# Altium PCB PCB SOM AM625.PcbDoc (part 6 of 6)
Units mm, origin at the board's own origin, x right, y up, seen from the top; angles counter-clockwise.
Board outline 92 x 91 mm, 6 copper layers (Top Layer, Layer 1, Layer 3, Layer 4, Layer 2, Bottom Layer), stack 1.56 mm thick; 480 components, 371 nets, 1721 pads, 738 vias.
Unrouted connection lines stored in the file: 13.
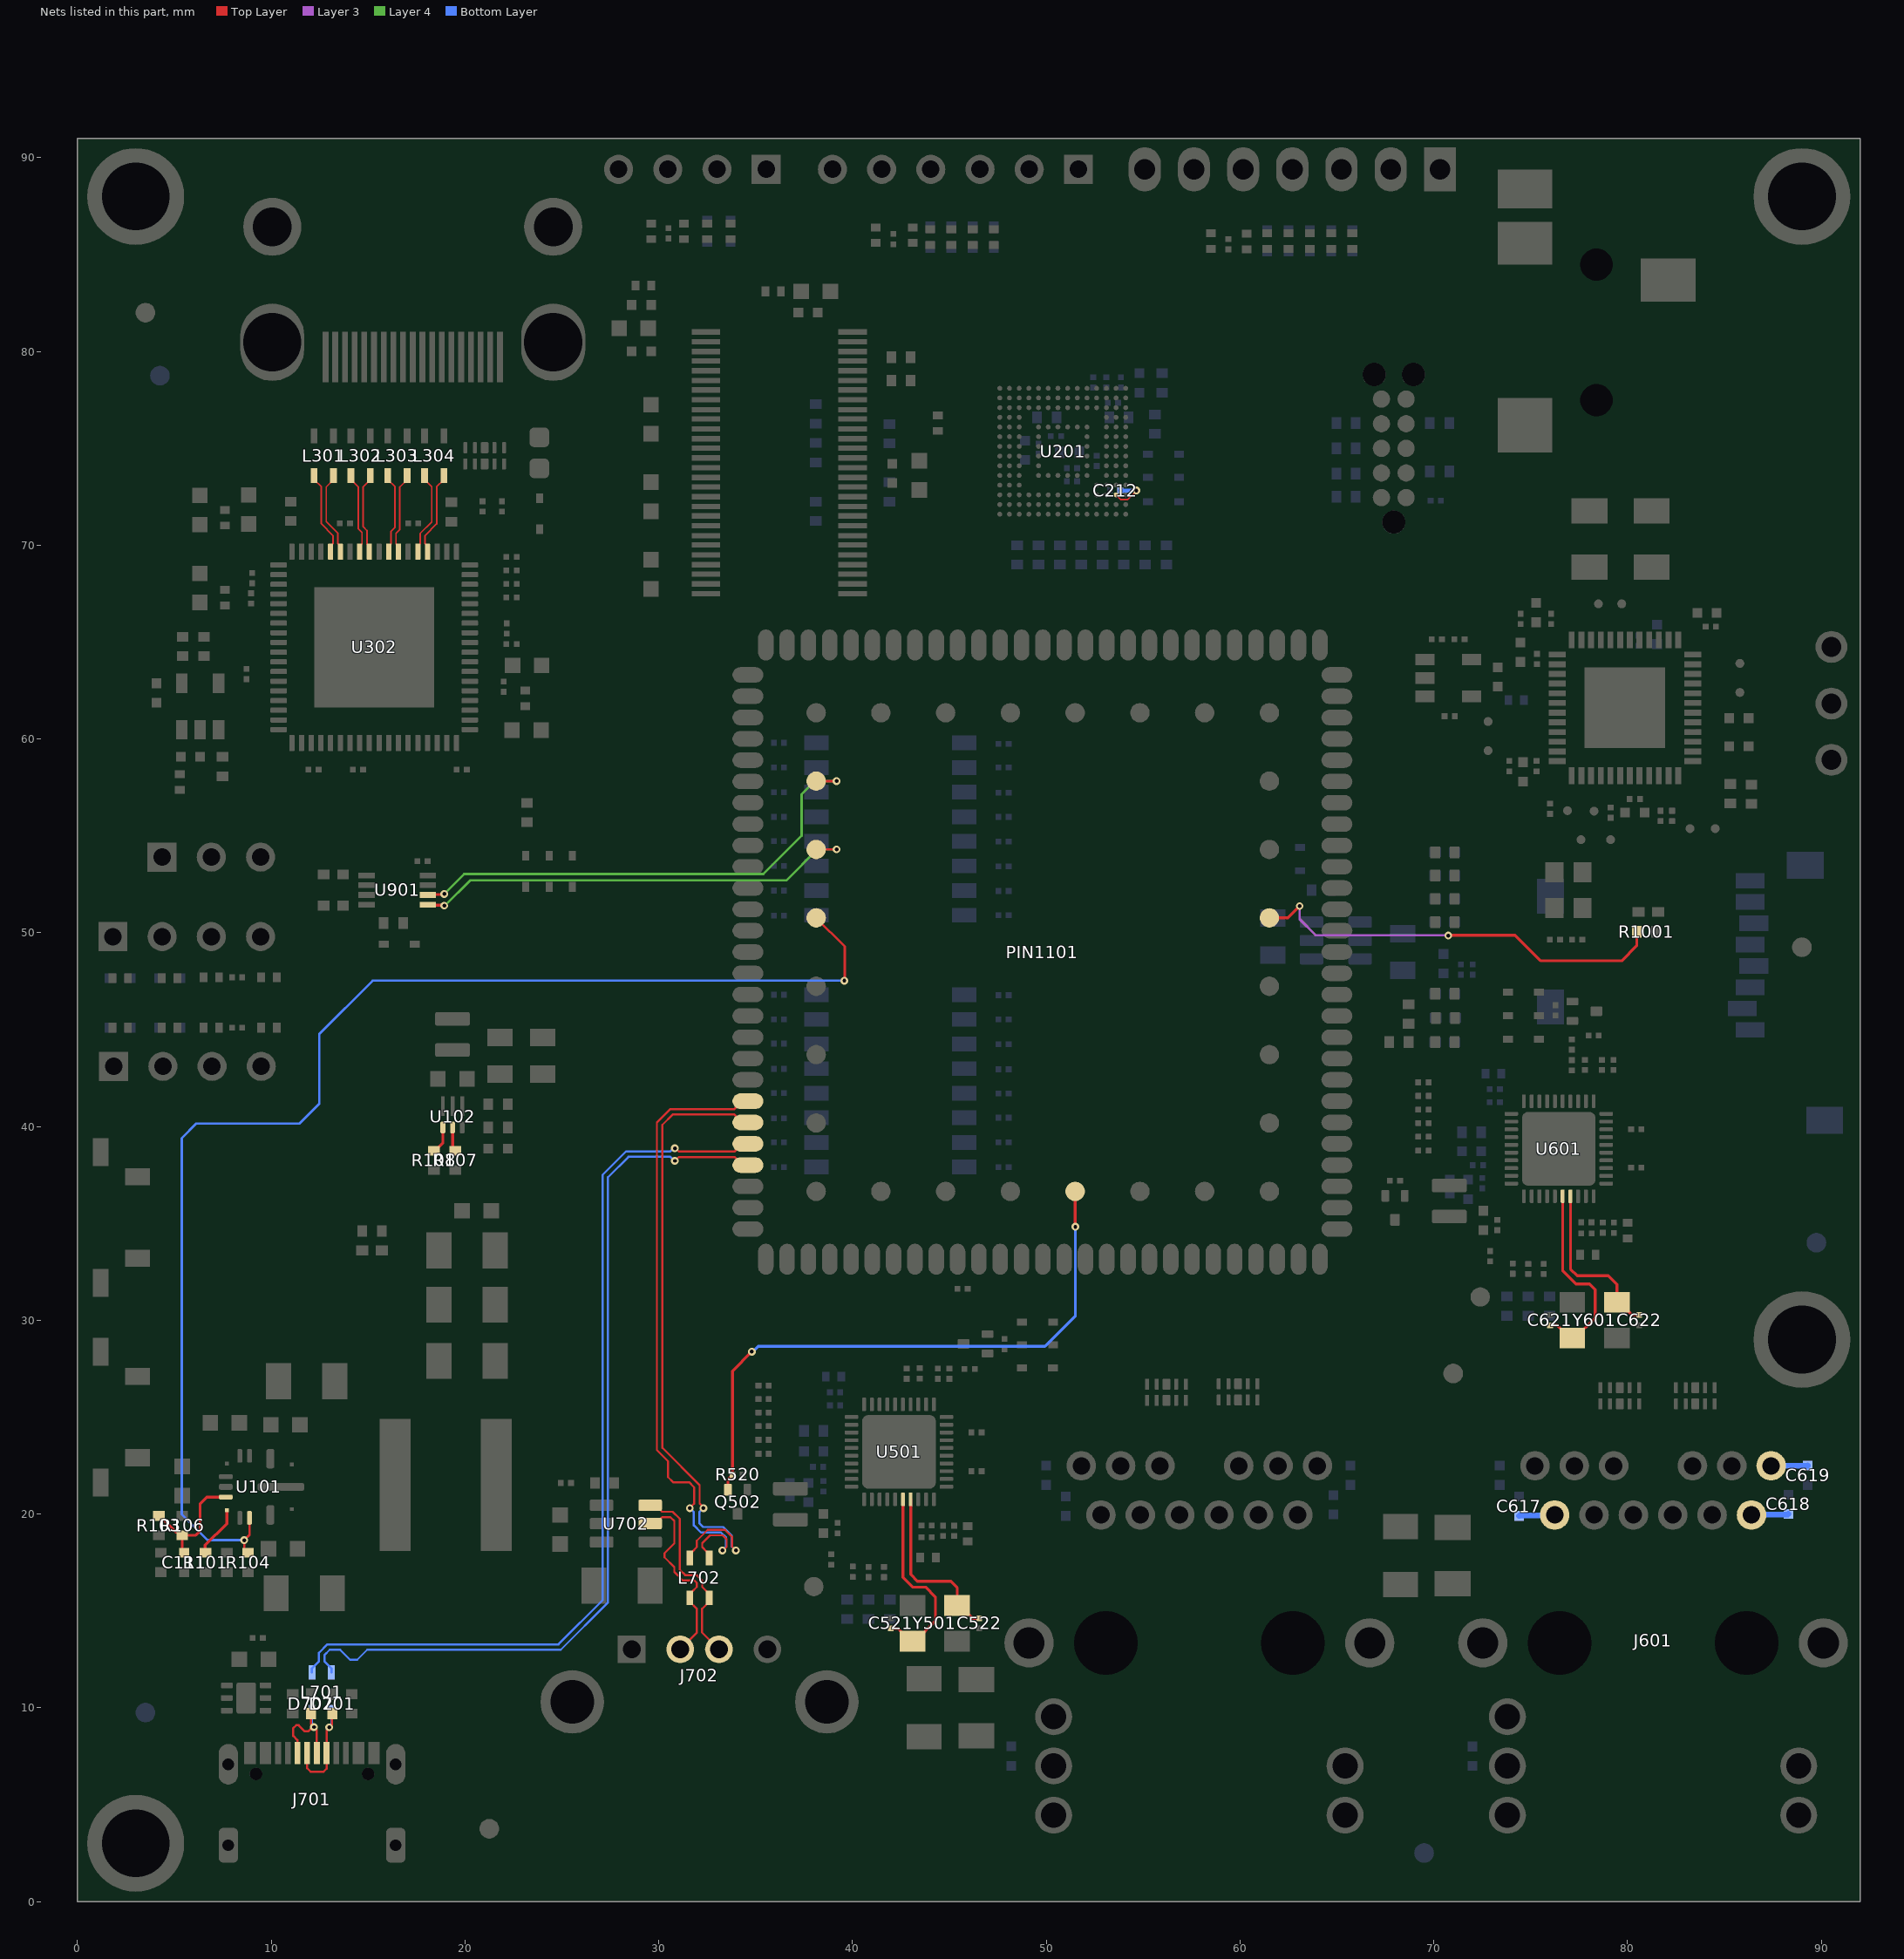
[diagram p10: the nets of this part, all layers, seen from the top]

## Via types
v1: diameter 0.4, hole 0.2, Top Layer to Bottom Layer, tented both sides, 695 vias
v2: diameter 0.8, hole 0.4, Top Layer to Bottom Layer, tented both sides, 40 vias
v3: diameter 0.6, hole 0.3, Top Layer to Bottom Layer, tented both sides, 3 vias

## Nets (pads, with @x,y where several pads share a name; then routed paths per layer and width w, separated by ;. In a path a pad name is that pad's centre, name@x,y a point inside that pad or via, vN(x,y) a via of type N, cw(c..) or ccw(c..) an arc to the next point about the centre after c; other vN are vias at no path point) (continued)
TCT2_1: C617.1 J601.6 | length 1.9
  Bottom Layer w0.3: C617.1@74.4,19.9 74.423,19.924 76.215,19.924 J601.6@76.238,19.947
TCT2_2: C618.1 J601.1 | length 1.9
  Bottom Layer w0.3: J601.1@86.398,19.947 86.425,19.974 88.273,19.974 C618.1@88.3,20
TCT2_3: C619.1 J601.7 | length 1.9
  Bottom Layer w0.3: J601.7@87.414,22.487 87.421,22.494 89.293,22.494 C619.1@89.3,22.5
TS_INT: PIN1101.133 Q502.2 R520.1 | length 31.5
  Top Layer w0.15: Q502.2@33.57,21.25 33.57,21.79 ; 33.575,21.79 R520.1@33.81,22.025 ; R520.1@33.805,22.03 33.805,27.38 v1(34.8,28.375) ; PIN1101.133@51.489,36.65 51.495,36.645 51.495,34.83 v1(51.5,34.825)
  Bottom Layer w0.15: v1(34.8,28.375) 34.851,28.375 35.126,28.65 49.925,28.65 51.5,30.225 v1(51.5,34.825)
TX0_N: L303.4 U302.61 | length 4.2
  Top Layer w0.084: U302.61@16.56,69.666 16.56,69.951 16.438,70.073 16.438,70.622 16.634,70.818 16.634,71.914 16.634,73.009 17.01,73.386 L303.4@17.01,73.588
TX0_P: L303.1 U302.62 | length 4.2
  Top Layer w0.084: L303.1@16.01,73.588 16.01,73.386 16.38,73.016 16.38,70.923 16.184,70.727 16.184,70.074 16.06,69.951 U302.62@16.06,69.666
TX1_N: L302.4 U302.64 | length 4.2
  Top Layer w0.084: U302.64@15.06,69.666 15.06,69.951 14.937,70.074 14.937,70.758 14.739,70.956 14.739,73.015 15.11,73.386 L302.4@15.11,73.588
TX1_P: L302.1 U302.65 | length 4.2
  Top Layer w0.084: L302.1@14.11,73.588 14.11,73.386 14.485,73.011 14.485,70.851 14.683,70.653 14.683,70.073 14.56,69.951 U302.65@14.56,69.666
TX2_N: L301.4 U302.67 | length 4.4
  Top Layer w0.084: L301.4@13.21,73.588 13.21,73.386 12.833,73.008 12.833,71.21 13.435,70.608 13.435,70.076 13.56,69.951 U302.67@13.56,69.666
TX2_P: L301.1 U302.68 | length 4.4
  Top Layer w0.084: L301.1@12.21,73.588 12.21,73.386 12.579,73.017 12.579,71.105 13.181,70.503 13.181,70.072 13.06,69.951 U302.68@13.06,69.666
TXC_N: L304.4 U302.58 | length 4.4
  Top Layer w0.084: U302.58@18.06,69.666 18.06,69.951 17.937,70.074 17.937,70.501 18.535,71.098 18.535,72.054 18.535,73.01 18.91,73.386 L304.4@18.91,73.588
TXC_P: L304.1 U302.59 | length 4.4
  Top Layer w0.084: U302.59@17.56,69.666 17.56,69.951 17.683,70.074 17.683,70.606 18.281,71.204 18.281,73.015 17.91,73.386 L304.1@17.91,73.588
UART0_RX: PIN1101.115 U901.6 | length 25.8
  Top Layer w0.122: PIN1101.115@38.122,57.824 v1@39.174,57.824
  Top Layer w0.15: U901.6@18.076,51.95 18.101,51.975 18.9,51.975 v1(18.925,52)
  Layer 4 w0.122: v1(18.925,52) 19.95,53.025 35.4,53.025 37.375,55 37.375,57.15 38.05,57.825 v1(39.175,57.825)
UART0_TX: PIN1101.114 U901.5 | length 23.4
  Top Layer w0.122: PIN1101.114@38.121,54.295 38.124,54.298 39.172,54.298 v1(39.175,54.3)
  Top Layer w0.15: U901.5@18.076,51.45 18.101,51.425 18.9,51.425 v1(18.925,51.4) v1@18.975,51.4
  Layer 4 w0.122: v1(18.925,51.4) 18.96,51.4 20.26,52.7 36.575,52.7 38.175,54.3 v1(39.175,54.3)
USB0_N: L701.3 PIN1101.32 | length 47.2
  Top Layer w0.109: v1(30.825,38.875) 30.859,38.875 31.034,38.7 33.899,38.7 34.305,39.106 PIN1101.32@34.6,39.106
  Bottom Layer w0.109: L701.3@12.1,11.827 12.1,12.03 12.46,12.391 12.46,12.835 12.898,13.273 24.823,13.273 27.1,15.55 27.1,37.5 28.315,38.715 30.591,38.715 30.751,38.875 v1(30.825,38.875)
USB0_P: L701.2 PIN1101.31 | length 47.2
  Top Layer w0.109: v1(30.825,38.225) 30.839,38.225 31.034,38.421 33.902,38.421 34.317,38.006 PIN1101.31@34.6,38.006
  Bottom Layer w0.109: L701.2@13.1,11.827 13.1,12.03 12.74,12.391 12.74,12.72 13.013,12.993 13.55,12.993 14.068,12.475 14.432,12.475 14.95,12.993 24.938,12.993 27.379,15.434 27.379,37.384 28.43,38.435 30.591,38.435 30.801,38.225 v1(30.825,38.225)
USB1_N: L702.4 PIN1101.33 | length 33.2
  Top Layer w0.109: L702.4@31.6,17.727 31.6,17.93 31.72,18.05 31.96,18.29 31.96,18.616 32.524,19.179 33.416,19.179 33.698,18.898 33.779,18.816 33.779,18.321 v1@34,18.1 ; v1(32.3,20.3) 32.3,20.345 32.104,20.54 32.104,21.491 30.179,23.416 30.179,40.084 30.711,40.616 33.903,40.616 34.314,40.206 PIN1101.33@34.6,40.206
  Bottom Layer w0.109: v1(32.3,20.3) 32.09,20.09 32.09,19.525 32.29,19.325 33.32,19.325 33.75,18.895 33.75,18.327 33.961,18.115 v1(33.978,18.115)
USB1_P: L702.1 PIN1101.34 | length 33.2
  Top Layer w0.109: v1(31.6,20.3) 31.6,20.309 31.825,20.534 31.825,21.375 31.562,21.638 30.737,21.638 30.475,21.9 30.475,22.725 29.9,23.3 29.9,40.2 30.595,40.896 33.903,40.896 34.314,41.306 PIN1101.34@34.6,41.306 ; L702.1@32.6,17.727 32.6,17.93 32.48,18.05 32.24,18.29 32.24,18.5 32.64,18.9 33.3,18.9 33.5,18.7 33.5,18.3 v1@33.3,18.1
  Bottom Layer w0.109: v1(31.6,20.3) 31.81,20.09 31.81,19.409 32.174,19.046 33.204,19.046 33.471,18.779 33.471,18.325 33.278,18.132 v1(33.278,18.115)
USB_A_N: J702.2 L702.3 U702.5 | length 10
  Top Layer w0.109: U702.5@29.555,19.5 29.86,19.5 30.094,19.734 30.094,19.76 30.169,19.835 30.6,19.835 30.8,19.635 30.8,18.481 30.293,17.974 30.293,17.761 30.8,17.254 30.8,17.008 31.24,16.568 31.837,16.568 31.96,16.445 31.96,16.236 31.72,15.995 31.6,15.875 L702.3@31.6,15.673 31.6,15.47 31.95,15.12 31.95,13.86 J702.2@31.1,13.01
USB_A_P: J702.3 L702.2 U702.6 | length 10.1
  Top Layer w0.109: U702.6@29.555,20.45 29.86,20.45 30.094,20.216 30.094,20.19 30.169,20.115 30.716,20.115 31.079,19.751 31.079,17.124 31.356,16.847 31.953,16.847 32.24,16.56 32.24,16.236 32.48,15.995 32.6,15.875 L702.2@32.6,15.673 32.6,15.47 32.229,15.099 32.229,13.881 J702.3@33.1,13.01
USB_C_N: D702.2 J701.A7 J701.B7 L701.4 | length 5.7
  Top Layer w0.109: J701.B7@11.35,7.655 11.345,7.66 11.345,8.33 11.133,8.542 11.133,8.947 11.282,9.096 11.413,9.096 11.729,8.781 11.902,8.781 12.121,9 v1(12.2,9) ; D702.2@12.05,9.7 12.05,9.15 v1(12.2,9) ; J701.A7@12.35,7.655 12.35,8.85 v1(12.2,9)
  Bottom Layer w0.109: L701.4@12.1,9.773 12.1,9.179 12.2,9.079 v1(12.2,9)
USB_C_P: D701.2 J701.A6 J701.B6 L701.1 | length 5.7
  Top Layer w0.109: J701.A6@11.85,7.655 11.85,6.875 12.025,6.7 12.7,6.7 12.859,6.859 J701.B6@12.859,7.646 ; J701.B6@12.85,7.655 12.85,8.85 v1(12.987,8.988) 13.125,9.125 13.125,9.675 D701.2@13.15,9.7
  Bottom Layer w0.109: v1(12.987,8.988) 12.987,9.066 13.1,9.179 L701.1@13.1,9.773
VCC_1V8_EN: R108.1 U102.1 | length 1.4
  Top Layer w0.15: R108.1@18.4,38.75 18.45,38.75 18.855,39.155 U102.1@18.855,39.948
VCC_3V3_FB: C111.2 R103.1 R106.2 U101.4 | length 6.4
  Top Layer w0.15: R103.1@4.2,19.9 4.25,19.9 5.075,19.075 5.225,19.075 R106.2@5.4,18.9 ; C111.2@5.4,18 R106.2@5.4,18.9 ; U101.4@7.65,20.875 6.675,20.875 6.325,20.525 6.325,19.125 6.1,18.9 R106.2@5.4,18.9
VCC_5V0_EN: PIN1101.113 R104.1 U101.7 | length 68.7
  Top Layer w0.122: R104.1@8.8,18 8.789,18 8.6,18.189 v1(8.6,18.65) 8.875,18.925 U101.7@8.875,19.8 ; PIN1101.113@38.121,50.766 39.6,49.287 39.6,47.55 v1(39.575,47.525)
  Bottom Layer w0.122: v1(8.6,18.65) 6.7,18.65 5.375,19.975 5.375,39.4 6.125,40.15 11.45,40.15 12.475,41.175 12.475,44.775 15.225,47.525 v1(39.575,47.525)
VDD_1V8_PG: R107.1 U102.2 | length 1.3
  Top Layer w0.15: U102.2@19.355,39.948 19.355,38.895 R107.1@19.5,38.75
VDD_3V3_PG: R101.1 U101.5 | length 2.7
  Top Layer w0.15: R101.1@6.5,18 6.587,18.087 6.587,18.387 7.7,19.5 U101.5@7.7,20.2
VDDI: C212.1 U201.C2 | length 2.2
  Top Layer w0.08: U201.C2@53.6,72.6 53.85,72.35 54.196,72.35 54.65,72.804 v1(54.65,72.825)
  Bottom Layer w0.2: C212.1@53.815,72.825 v1(54.65,72.825)
WKUP_CLKOUT0: PIN1101.126 R1001.2 | length 21.8
  Top Layer w0.15: PIN1101.126@61.515,50.766 62.466,50.766 v1(63.075,51.375) ; v1(70.75,49.85) 70.775,49.875 74.2,49.875 75.525,48.55 79.7,48.55 80.475,49.325 R1001.2@80.475,50.05
  Layer 3 w0.122: v1(63.075,51.375) 63.075,50.7 63.9,49.875 70.725,49.875 v1(70.75,49.85)
XTAL_IN_GBE1: C521.1 U501.36 Y501.1 | length 10.4
  Top Layer w0.15: C521.1@41.975,14.085 42.35,14.085 42.514,13.921 42.514,13.883 42.973,13.425 43.1,13.425 43.227,13.425 44.275,14.473 44.275,15.725 43.775,16.225 43.1,16.225 42.6,16.725 U501.36@42.6,20.75
XTAL_IN_GBE2: C621.1 U601.36 Y601.1 | length 10.4
  Top Layer w0.15: C621.1@76,29.735 76.363,29.735 77.023,29.075 Y601.1@77.15,29.075 77.277,29.075 78.32,30.118 78.33,30.118 78.33,31.57 78.03,31.87 77.33,31.87 76.655,32.545 U601.36@76.655,36.395
XTAL_OUT_GBE1: C522.1 U501.37 Y501.3 | length 8.9
  Top Layer w0.15: U501.37@43,20.75 43,16.875 43.35,16.525 45.075,16.525 45.4,16.2 45.4,15.275 45.859,14.817 45.996,14.817 46.197,14.615 C522.1@46.55,14.615
XTAL_OUT_GBE2: C622.1 U601.37 Y601.3 | length 8.8
  Top Layer w0.15: U601.37@77.055,36.395 77.055,32.645 77.4,32.3 79,32.3 79.455,31.845 79.455,30.92 79.914,30.462 80.051,30.462 80.252,30.26 C622.1@80.605,30.26
pads on no net: FID1001.1 FID1002.1 FID1003.1 FID1004.1 FID1005.1 FID1006.1 FID1007.1 FID1008.1 J301.14 J501. J601. J701. J701.A8 J701.B8 J801. J902. MH1001.1 MH1002.1 MH1003.1 MH1004.1 U201.A1 U201.A2 U201.A7 U201.A8 U201.A9 U201.A10 U201.A11 U201.A12 U201.A13 U201.A14 U201.B1 U201.B7 U201.B8 U201.B9 U201.B10 U201.B11 U201.B12 U201.B13 U201.B14 U201.C1 U201.C3 U201.C5 U201.C7 U201.C8 U201.C9 U201.C10 U201.C11 U201.C12 U201.C13 U201.C14 U201.D1 U201.D2 U201.D3 U201.D4 U201.D12 U201.D13 U201.D14 U201.E1 U201.E2 U201.E3 U201.E5 U201.E8 U201.E9 U201.E10 U201.E12 U201.E13 U201.E14 U201.F1 U201.F2 U201.F3 U201.F10 U201.F12 U201.F13 U201.F14 U201.G1 U201.G2 U201.G3 U201.G10 U201.G12 U201.G13 U201.G14 U201.H1 U201.H2 U201.H3 U201.H12 U201.H13 U201.H14 U201.J1 U201.J2 U201.J3 U201.J12 U201.J13 U201.J14 U201.K1 U201.K2 U201.K3 U201.K6 U201.K7 U201.K10 U201.K12 U201.K13 U201.K14 U201.L1 U201.L2 U201.L3 U201.L12 U201.L13 U201.L14 U201.M1 U201.M2 U201.M3 U201.M7 U201.M8 U201.M9 U201.M10 U201.M11 U201.M12 U201.M13 U201.M14 U201.N1 U201.N3 U201.N6 U201.N7 U201.N8 U201.N9 U201.N10 U201.N11 U201.N12 U201.N13 U201.N14 U201.P1 U201.P2 U201.P7 U201.P8 U201.P9 U201.P10 U201.P11 U201.P12 U201.P13 U201.P14 U202.4 U302.37 U302.38 U302.39 U302.40 U302.41 U302.44 U302.45 U302.50 U801.9 U801.10 U801.11 U801.27 U801.28 U801.29 U801.30 U801.31 U801.32

## Polygon pours and split planes (outlines as drawn)
+VDD_1V8 on Top Layer "+VDD_1V8_L01_P144" (solid, pour order 144): 73.3,58.5 73.2,58.4 73.2,57.7 73.3,57.6 73.9,57.6 74.125,57.825 74.125,58.425 74.05,58.5
+VDD_1V8 on Top Layer "+VDD_1V8_L01_P143" (solid, pour order 143): 66.75,45.25 66.4,44.9 66.4,44.3 66.7,44 67.9,44 68,44.1 68,45 67.75,45.25
+VDD_3V3 on Top Layer "+VDD_3V3_L01_P136" (solid, pour order 136): 44.8,77.3 44.9,77.2 44.9,76.7 44.7,76.5 44,76.5 43.9,76.6 43.9,77.2 44,77.3
AGND_AUD on Top Layer "AGND_AUD_L01_P089" (solid, pour order 89): 73.5,90.5 73,90 73,65.25 74.25,64 74.25,60.25 75.5,59 87.5,59 89,57.5 91,57.5 91.5,58 91.5,83.5 90.5,84.5 86,84.5 84,86.5 84,90 83.5,90.5
GND on Top Layer "GND_L01_P126" (solid, pour order 126): 67.75,21.25 71.5,21.25 72,20.75 72,18.75 71.75,18.5 67.5,18.5 67.25,18.75 67.25,20.75
GND_E on Top Layer "GND_E_L01_P125" (solid, pour order 125): 91,17 91.75,16.25 91.75,12.5 90.75,11.5 49.1,11.5 49.1,15.85 50.25,17
GND on Top Layer "GND_L01_P123" (solid, pour order 123): 42.75,9.25 47.25,9.25 47.5,9 47.5,7 47.25,6.75 42.75,6.75 42.5,7 42.5,9
GND_E on Top Layer "GND_E_L01_P122" (solid, pour order 122): 42.75,12.25 47,12.25 47.75,13 47.75,14.5 49.55,16.3 50.5,16.3 50.5,12.25 49,10.75 42.75,10.75 42.5,11 42.5,12
+VSYS_5V on Top Layer "+VSYS_5V_L01_P118" (solid, pour order 118): 11.1,38.1 14.9,41.9 14.9,46.5 16.9,48.5 24.5,48.5 26.125,50.125 26.125,68.675 24.3,70.5 23.7,70.5 23.6,70.6 23.6,71.1 23.7,71.2 25.6,71.2 27.6,69.2 27.6,49.7 24.725,46.825 18.225,46.825 16.8,45.4 16.8,38.5 16.4,38.1
GND on Top Layer "GND_L01_P081" (solid, pour order 81): 39,66.9 40.8,66.9 41.425,66.275 41.425,63.017 42.017,62.425 42.017,61.1 41.742,60.825 41.092,60.825 39.542,62.375 39.542,63.6 39.142,64 38.675,64 38.425,64.25 38.425,66.325
+VDD_3V3 on Top Layer "+VDD_3V3_L01_P117" (solid, pour order 117): 21.2,36.5 23.7,39 28.2,43.5 28.2,62.4 31.5,65.7 35.2,65.7 35.2,64 33.3,64 31,61.7 31,42.359 25.441,36.8 24.5,35.8
PHY1_VDD1V0 on Top Layer "PHY1_VDD1V0_L01_P116" (solid, pour order 116): 37.695,20.055 37.795,19.955 37.795,19.455 37.995,19.255 38.895,19.255 39.095,19.055 39.095,18.455 38.895,18.255 36.995,18.255 35.795,19.455 35.795,19.955 35.895,20.055
+1V2_HDMI_CVCC on Top Layer "+1V2_HDMI_CVCC_L01_P110" (solid, pour order 110): 7.3,67.2 7,66.9 7,66 7.1,65.9 7.6,65.9 7.9,66.2 7.9,67.1 7.8,67.2
PHY2_VDD1V0 on Top Layer "PHY2_VDD1V0_L01_P095" (solid, pour order 95): 71.7,35.7 71.8,35.6 71.8,35.1 72,34.9 72.9,34.9 73.1,34.7 73.1,34.1 72.9,33.9 71,33.9 69.8,35.1 69.8,35.6 69.9,35.7
+VDD_3V3_OLDI on Top Layer "+VDD_3V3_OLDI_L01_P083" (solid, pour order 83): 29.4,83.7 29.8,83.7 30.3,83.2 30.3,80.7 29.8,80.2 29.3,80.2 29,80.5 29,81.6 29.3,81.9 29.3,83.6
GND on Top Layer "GND_L01_P082" (solid, pour order 82): 28.8,82.7 28.9,82.6 28.9,82 28.5,81.6 28.5,80.5 28.8,80.2 28.8,79.8 28.7,79.7 28,79.7 27.1,80.6 27.1,82.1 27.7,82.7
+VDD_3V3 on Top Layer "+VDD_3V3_L01_P080" (solid, pour order 80): 35.2,65.7 37.9,65.7 38.125,65.475 38.125,62.975 38.675,62.425 38.675,61.1 38.4,60.825 37.75,60.825 36.2,62.375 36.2,63.6 35.8,64 35.2,64 35,64.2 35,65.5
+VSYS_5V on Top Layer "+VSYS_5V_L01_P079" (solid, pour order 79): 18.9,42.9 16.8,42.9 16.8,38.5 16.4,38.1 11.1,38.1 9.65,36.65 9.65,29.723 11.5,29.723 11.5,35.5 13.4,37.4 19.7,37.4 19.9,37.6 19.9,38 19.8,38.1 18,38.1 17.6,38.5 17.6,41.6 18,42 18.9,42 19,42.1 19,42.8
GND on Top Layer "GND_L01_P077" (solid, pour order 77): 21.9,42 21.9,40.8 22,40.7 22.5,40.7 22.6,40.8 22.6,42
GND on Top Layer "GND_L01_P076" (solid, pour order 76): 25.1,43.3 20.1,43.3 19.7,42.9 19.7,40.6 19.8,40.5 20.1,40.5 20.3,40.7 20.3,41.7 20.6,42 25.1,42 25.3,42.2 25.3,43.1
GND on Top Layer "GND_L01_P075" (solid, pour order 75): 1.7,22.5 2.2,22 2.2,20.4 1.9,20.1 0.6,20.1 0.3,20.4 0.3,22.2 0.6,22.5
GND on Top Layer "GND_L01_P074" (solid, pour order 74): 0.8,32.8 1.7,32.8 1.9,32.6 1.9,29.6 3.8,27.7 3.8,26.6 3.7,26.5 0.8,26.5 0.6,26.7 0.6,32.6
GND on Top Layer "GND_L01_P073" (solid, pour order 73): 0.5,39.6 0.8,39.9 3.5,39.9 3.8,39.6 3.8,36.9 3.7,36.8 0.7,36.8 0.5,37
+5V_USB_A on Top Layer "+5V_USB_A_L01_P072" (solid, pour order 72): 29.625,18.9 29.85,18.675 29.85,13.95 29.3,13.4 28.7,13.4 28.5,13.6 28.5,18.5 28.9,18.9
+VSYS_5V on Top Layer "+VSYS_5V_L01_P071" (solid, pour order 71): 11.3,13.5 22,13.5 23.7,15.2 23.7,18.2 24.4,18.9 27.6,18.9 27.7,18.8 27.7,18.3 27.4,18 24.8,18 24.4,17.6 24.4,14.8 22.4,12.8 10.8,12.8 10.8,13
+VDD_3V3_AUD on Top Layer "+VDD_3V3_AUD_L01_P070" (solid, pour order 70): 76,66.1 76.2,65.9 76.2,65.4 75.6,64.8 74.3,64.8 74.2,64.9 74.2,66 74.3,66.1
GND on Top Layer "GND_L01_P069" (solid, pour order 69): 75,58.1 75.1,58.2 75.1,58.45 75.15,58.5 75.5,58.5 75.675,58.325 75.675,57.85 75.325,57.5 74.4,57.5 74.325,57.575 74.325,58.025 74.4,58.1
+VSYS_5V on Top Layer "+VSYS_5V_L01_P068" (solid, pour order 68): 9.6,20.5 10.2,20.5 10.3,20.4 10.3,17.5 11.3,16.5 11.3,12.8 10,11.5 10,8.2 9.4,8.2 9.4,20.3
GND on Top Layer "GND_L01_P067" (solid, pour order 67): 38.4,83.6 39.6,83.6 39.8,83.4 39.8,82.4 39.1,81.7 38,81.7 37.9,81.8 37.9,82.3 38.3,82.7 38.3,83.5
GND on Top Layer "GND_L01_P058" (solid, pour order 58): 77.98,35.22 78.305,35.22 78.33,35.195 78.33,34.745 78.38,34.695 79.455,34.695 79.48,34.67 79.48,34.17 79.205,33.895 78.38,33.895 77.955,34.32 77.955,35.195
GND on Top Layer "GND_L01_P057" (solid, pour order 57): 72.28,35.92 73.305,35.92 73.605,35.62 73.605,35.17 73.455,35.02 73.13,35.02 72.78,35.37 72.305,35.37 72.23,35.445 72.23,35.87
REG_OUT2 on Top Layer "REG_OUT2_L01_P056" (solid, pour order 56): 70.455,36.595 73.555,36.595 74.005,37.045 74.005,37.145 73.655,37.145 73.455,36.945 72.055,36.945 71.705,37.295 70.455,37.295
GND on Top Layer "GND_L01_P051" (solid, pour order 51): 43.925,19.575 44.25,19.575 44.275,19.55 44.275,19.1 44.325,19.05 45.4,19.05 45.425,19.025 45.425,18.525 45.15,18.25 44.325,18.25 43.9,18.675 43.9,19.55
GND on Top Layer "GND_L01_P050" (solid, pour order 50): 38.225,20.275 39.25,20.275 39.55,19.975 39.55,19.525 39.4,19.375 39.075,19.375 38.725,19.725 38.25,19.725 38.175,19.8 38.175,20.225
REG_OUT1 on Top Layer "REG_OUT1_L01_P049" (solid, pour order 49): 36.4,20.95 39.5,20.95 39.95,21.4 39.95,21.5 39.6,21.5 39.4,21.3 38,21.3 37.65,21.65 36.4,21.65
GND on Top Layer "GND_L01_P044" (solid, pour order 44): 24.3,60.9 24.4,60.8 24.4,59.7 24.3,59.6 23.5,59.6 23.4,59.7 23.4,60.8 23.5,60.9
+VDD_3V3 on Top Layer "+VDD_3V3_L01_P043" (solid, pour order 43): 22.8,60.9 22.9,60.8 22.9,59.7 22.8,59.6 22,59.6 21.9,59.7 21.9,60.8 22,60.9
GND on Top Layer "GND_L01_P041" (solid, pour order 41): 5.8,69 6.2,69.4 8.2,69.4 8.6,69 8.6,68.45 9.01,68.039 9.01,67.575 8.785,67.35 8.25,67.35 8.1,67.5 8.1,68 8,68.1 5.9,68.1 5.8,68.2
GND on Top Layer "GND_L01_P039" (solid, pour order 39): 6,72.8 6.1,72.9 9.1,72.9 9.2,72.8 9.2,72.2 8.5,72.2 6.7,72.2 6,72.2
GND on Top Layer "GND_L01_P038" (solid, pour order 38): 4.25,62.125 5.825,62.125 6.225,62.525 6.225,64.075 6.825,64.075 6.825,63.55 6.7,63.425 6.7,58.575 6.5,58.375 6.175,58.375 5.975,58.575 5.975,61.225 5.575,61.625 4.25,61.625
GND on Top Layer "GND_L01_P036" (solid, pour order 36): 9.2,8.2 9.2,14.3 8.6,14.9 7.294,14.894 6.1,13.7 6.1,10.7 8.6,8.2
+VDD_3V3 on Top Layer "+VDD_3V3_L01_P035" (solid, pour order 35): 21.2,36.5 20.7,36 20.7,18.1 21.1,17.7 22.4,17.7 22.8,18.1 22.8,21.9 24.5,23.6 24.5,35.8 23.8,36.5
GND on Top Layer "GND_L01_P034" (solid, pour order 34): 10.9,24.9 12.5,26.5 12.5,28.4 13,28.9 16.6,28.9 17.2,29.5 17.2,35.6 18.1,36.5 20,36.5 20.3,36.2 20.3,34.8 20,34.5 20,16.6 17.2,13.8 12.3,13.8 12,14.1 12,16.8 10.9,17.9 10.9,20.36 10.99,20.45 11.857,20.45 12.6,19.707 12.6,17.797 13.397,17 17.5,17 18.1,17.6 18.1,25.3 17.6,25.8 14.6,25.8 12.6,23.8 12.6,23.087 11.863,22.35 11.03,22.35 10.9,22.48
GND on Top Layer "GND_L01_P033" (solid, pour order 33): 27.3,17.3 25.1,17.3 24.9,17.1 24.9,15.5 25.1,15.3 27.3,15.3 27.5,15.5 27.5,17.1
GND on Top Layer "GND_L01_P032" (solid, pour order 32): 24.9,21.3 26.4,19.8 27.6,19.8 27.7,19.7 27.7,19.3 27.6,19.2 24,19.2 23.6,19.6 23.6,20.7 24.2,21.3
+VDD_1V8 on Top Layer "+VDD_1V8_L01_P031" (solid, pour order 31): 25.8,44.35 25.8,45.65 25.35,46.1 18.65,46.1 18.4,45.85 18.4,45.15 18.7,44.85 20.4,44.85 21.3,43.95 25.4,43.95
AGND_AUD on Top Layer "AGND_AUD_L01_P030" (solid, pour order 30): 73.3,86.7 73.1,86.5 73.1,84.5 73.7,83.9 75.9,83.9 76.3,84.3 76.3,86.5 76.1,86.7
+VSYS_5V on Top Layer "+VSYS_5V_L01_P006" (solid, pour order 6): 10.25,22.35 10.6,22.7 10.6,25.5 11.5,26.4 11.5,30 11.1,30.4 10.1,30.4 9.65,29.95 9.65,22.55 9.85,22.35
+VDD_3V3 on Top Layer "+VDD_3V3_L01_P007" (solid, pour order 7): 8.099,22.492 8.1,23.413 8.038,23.475 7.525,23.475 7.375,23.625 7.025,23.625 6.9,23.5 6.9,22.6 7.05,22.45 8.057,22.45
LM61460_SW on Top Layer "LM61460_SW_L01_P012" (solid, pour order 12): 9.2,21.5 9.6,21.9 12.3,21.9 15.2,24.8 15.5,25.1 17,25.1 17.2,24.9 17.2,18.1 17,17.9 15.3,17.9 12.3,20.9 9.6,20.9 9.2,21.3
NetC116_1 on Top Layer "NETC116_1_L01_P022" (solid, pour order 22): 5.05,61 5.65,61 5.725,60.925 5.725,58.075 5.6,57.95 5.05,57.95 4.975,58.025 4.975,60.925
+VDD_1V2 on Top Layer "+VDD_1V2_L01_P027" (solid, pour order 27): 4.4,66.2 4.7,66.5 5.8,66.5 6.2,66.9 6.2,67.2 5.8,67.6 4.6,67.6 4.4,67.8 4.4,70.4 4.6,70.6 7.8,70.6 7.9,70.7 7.9,71.2 7.8,71.3 7,71.3 6.7,71.6 4.2,71.6 3.7,71.1 3.7,63 3.825,62.875 4.275,62.875 4.4,63
+VDD_1V8 on Layer 3 "+VDD_1V8_L03_P154" (solid, pour order 154): 73.3,58.5 73.2,58.4 73.2,57.7 73.3,57.6 73.9,57.6 74.125,57.825 74.125,58.425 74.05,58.5
+VDD_3V3_HDMI on Layer 3 "+VDD_3V3_HDMI_L03_P146" (solid, pour order 146): 12.075,57.5 12.075,58.2 12,58.275 11.725,58.275 11.625,58.175 11.625,57.5
+VDD_1V8 on Layer 3 "+VDD_1V8_L03_P145" (solid, pour order 145): 67.95,45.25 66.75,45.25 66.4,44.9 66.4,44.475 66.525,44.35 66.775,44.35 67.175,44.75 67.975,44.75 68.05,44.825 68.05,45.15
+VDD_3V3 on Layer 3 "+VDD_3V3_L03_P133" (solid, pour order 133): 22.4,33.25 22.4,40.25 23.175,41.025 36.525,41.025 47.5,52 47.5,57 59,68.5 59,79.5 57,81.5 34.25,81.5 32.5,83.25 28.5,83.25 28.25,83.5 28.25,86 29.5,87.25 68.75,87.25 71.75,84.25 71.75,62.75 60.1,51.1 52.1,51.1 34.25,33.25 24.5,33.25
+VDD_3V3 on Layer 3 "+VDD_3V3_L03_P134" (solid, pour order 134): 71.665,67.1 74.2,67.1 74.3,67 74.3,66.6 74.2,66.5 71.665,66.5
+VDD_3V3_AUD on Layer 3 "+VDD_3V3_AUD_L03_P087" (solid, pour order 87): 74.05,66.3 80.95,66.3 81.25,66 81.25,55.5 81,55.25 79.5,55.25 79,55.75 79,57.5 77,59.5 77,63.25 76.5,63.75 73.25,63.75 73,64 73,65.25
+AVDD1_2_GBE on Layer 3 "+AVDD1_2_GBE_L03_P101" (solid, pour order 101): 44.72,27.565 45.72,27.565 46.22,27.065 46.22,19.065 45.72,18.565 44.72,18.565 44.22,19.065 44.22,27.065
+VDD_3V3 on Layer 3 "+VDD_3V3_L03_P119" (solid, pour order 119): 23.25,36 23.25,59.75 23,60 22,60 21.75,59.75 21.75,58.25 19,55.5 1.75,55.5 0.75,54.5 0.75,37.5 5,33.25 22.5,33.25 22.5,35.25
PHY1_VDD1V0 on Layer 3 "PHY1_VDD1V0_L03_P104" (solid, pour order 104): 38.175,27.825 38.825,27.825 38.95,27.7 38.95,18.95 40.268,17.632 43.568,17.632 43.75,17.45 43.75,16.825 43.475,16.55 39.55,16.55 36.85,19.25 36.85,26.5
+VDD_3V3 on Layer 3 "+VDD_3V3_L03_P120" (solid, pour order 120): 4.75,57.25 5.75,57.25 6,57 6,55.5 4.5,55.5 4.5,57
+VDD_3V3_HDMI on Layer 3 "+VDD_3V3_HDMI_L03_P114" (solid, pour order 114): 9.25,69 9.25,68.75 8.75,68.25 7.25,68.25 6,67 6,60.75 9.25,57.5 18.3,57.5 19.4,58.6 19.4,60 20.6,61.2 22,61.2 22.79,61.99 22.79,68.29 23.25,68.75 24.25,68.75 24.5,68.5 24.5,61.145 23.755,60.4 21.9,60.4 21.1,59.6 21.1,58.1 19.75,56.75 8.75,56.75 5.25,60.25 5.25,67.25 7.25,69.25 9,69.25
+1V2_HDMI_CVCC on Layer 3 "+1V2_HDMI_CVCC_L03_P112" (solid, pour order 112): 6.675,66.975 6.675,66.325 7.275,65.725 9.475,65.725 10,65.2 10,62 11,61 13.225,61 13.775,60.45 13.775,58.125 14.125,57.775 14.975,57.775 15.325,58.125 15.325,60.55 16.6,61.825 22.275,61.825 22.65,62.2 22.65,68.275 21.9,69.025 9.775,69.025 8.125,67.375 7.075,67.375
+VDD_1V8 on Layer 3 "+VDD_1V8_L03_P106" (solid, pour order 106): 24.25,47.85 26.4,50 39,50 40.5,51.5 40.5,60.75 51.575,71.825 51.575,79.5 52.075,80 55.75,80 57,78.75 57,70.75 43.2,56.95 43.2,49.5 41.45,47.75 26.75,47.75 25.75,46.75 25.75,45 25.5,44.75 24.5,44.75 24.25,45
+AVDD2_2_GBE on Layer 3 "+AVDD2_2_GBE_L03_P092" (solid, pour order 92): 79,43.5 80,43.5 80.5,43 80.5,35 80,34.5 79,34.5 78.5,35 78.5,43
+VDD_3V3_OLDI on Layer 3 "+VDD_3V3_OLDI_L03_P091" (solid, pour order 91): 28.6,67.7 28.8,67.5 29.4,67.5 30,68.1 30,79.5 30.5,80 30.5,82.5 30.25,82.75 29.5,82.75 29.25,82.5 29.25,80.25 28.6,79.6
+VSYS_5V on Layer 3 "+VSYS_5V_L03_P008" (solid, pour order 8): 11.9,29.5 11.25,30.15 9.85,30.15 9.1,29.4 9.1,13.3 9.4,13 11.5,13 11.9,13.4
GND on Bottom Layer "GND_L06_P151" (solid, remove dead copper, pour order 151): 72,90.5 72.5,90 72.5,61 75,58.5 87.25,58.5 88.75,57 91,57 91.5,56.5 91.5,1 91,0.5 1.25,0.5 0.5,1.25 0.5,90 1,90.5
GND on Bottom Layer "GND_L06_P141" (solid, pour order 141): 76.5,41 76.9,40.6 76.9,39.6 76.6,39.3 74.3,39.3 74.1,39.5 74.1,40.8 74.3,41
GND on Bottom Layer "GND_L06_P152" (solid, pour order 152): 72.3,65.3 74,63.6 74,59.3 72.1,59.3 71.9,59.5 71.9,65.3
+VDD_1V8 on Bottom Layer "+VDD_1V8_L06_P142" (solid, pour order 142): 24.6,46.1 30.1,46.1 34.3,41.9 34.3,38.6 35.9,37 65.1,37 66.4,38.3 66.4,44.9 66.75,45.25 67.75,45.25 68.1,44.9 68.1,37.85 65.75,35.5 35.6,35.5 32.6,38.5 32.6,41.3 29,44.9 24.6,44.9 24.25,45.25 24.25,45.75
+VDD_3V3 on Bottom Layer "+VDD_3V3_L06_P140" (solid, pour order 140): 61.7,49.4 61.3,49.4 60.3,50.4 60.3,51.7 59.9,52.1 59.4,52.1 58.9,51.6 58.9,50.7 60.75,48.85 61.7,48.85
AGND_AUD on Bottom Layer "AGND_AUD_L06_P086" (solid, pour order 86): 73.5,90.5 73,90 73,65.25 74.25,64 74.25,60.25 75.5,59 87.5,59 89,57.5 91,57.5 91.5,58 91.5,83.5 90.5,84.5 86,84.5 84,86.5 84,90 83.5,90.5
+VDD_3V3 on Bottom Layer "+VDD_3V3_L06_P115" (solid, pour order 115): 46,19.5 46.5,19 46.5,17.75 46.197,17.447 36.303,17.447 35,18.75 35,20.75 35.5,21.25 36.75,21.25 37,21 37,20 37.5,19.5 44,19.5
+VDD_3V3 on Bottom Layer "+VDD_3V3_L06_P132" (solid, pour order 132): 79.946,35.102 80.446,34.602 80.446,33.352 80.142,33.049 70.249,33.049 68.946,34.352 68.946,36.352 69.446,36.852 70.696,36.852 70.946,36.602 70.946,35.602 71.446,35.102 77.946,35.102
PHY1_VDD1V0 on Bottom Layer "PHY1_VDD1V0_L06_P103" (solid, pour order 103): 38.825,27.825 38.275,27.825 38.075,27.625 38.075,26.925 38.245,26.755 38.845,26.755 38.945,26.855 38.945,27.705
PHY2_VDD1V0 on Bottom Layer "PHY2_VDD1V0_L06_P094" (solid, pour order 94): 72.9,43 71.8,43 71.6,42.8 71.6,42.3 71.7,42.2 72.1,42.2 72.3,42.4 72.9,42.4 73,42.5 73,42.9
DVDD10_2 on Bottom Layer "DVDD10_2_L06_P054" (solid, pour order 54): 73.305,42.995 73.705,42.995 73.805,42.895 73.805,40.895 73.605,40.695 73.33,40.695 73.255,40.77 73.255,42.945
GND on Bottom Layer "GND_L06_P064" (solid, pour order 64): 72.225,48.825 72.1,48.95 71.05,48.95 70.8,49.2 70.6,49.4 70.15,49.4 69.1,50.45 69.1,51.2 68.3,52 65.475,52 64.7,51.225 64.7,50.3 64.3,49.9 64.3,49.3 65.1,49.3 65.3,49.5 65.3,50.9 65.5,51.1 67.4,51.1 67.7,50.8 67.7,49.5 67.9,49.3 69.2,49.3 69.875,48.625 70.675,48.625 71.1,48.2 72.175,48.2 72.225,48.25
+VDD_1V8 on Bottom Layer "+VDD_1V8_L06_P066" (solid, pour order 66): 52.2,79.7 55.8,79.7 56.3,79.2 56.3,78.6 56.2,78.5 52.1,78.5 51.8,78.8 51.8,79.3
+VDD_3V3 on Bottom Layer "+VDD_3V3_L06_P065" (solid, pour order 65): 50.3,75.9 50.4,75.8 50.4,75.3 50.2,75.1 48.7,75.1 48.6,75.2 48.6,75.8 48.7,75.9
GND on Bottom Layer "GND_L06_P063" (solid, pour order 63): 63.1,49.9 62.5,50.5 62.5,51.5 62.2,51.8 61.1,51.8 60.8,51.5 60.8,50.4 61.1,50.1 62.2,50.1 63,49.3 64.3,49.3 64.4,49.4 64.4,49.8 64.3,49.9
+VDD_3V3 on Bottom Layer "+VDD_3V3_L06_P062" (solid, pour order 62): 62.7,49 62.3,49.4 61.1,49.4 61,49.3 61,48.4 61.1,48.3 64.3,48.3 64.4,48.4 64.4,48.9 64.3,49
GND on Bottom Layer "GND_L06_P055" (solid, pour order 55): 72.93,42.195 72.405,42.195 72.28,42.07 72.28,41.395 72.63,41.045 73.005,41.045 73.055,41.095 73.055,42.07
GND on Bottom Layer "GND_L06_P053" (solid, pour order 53): 71.23,38.67 70.9,38.34 70.9,38.1 71.08,37.92 71.915,37.92 72.065,38.07 72.055,38.08 72.055,38.37 71.755,38.67
GND on Bottom Layer "GND_L06_P052" (solid, pour order 52): 72.73,36.745 72.955,36.52 72.955,36.12 72.83,35.995 71.855,35.995 71.78,36.07 71.78,36.37 72.155,36.745
GND on Bottom Layer "GND_L06_P048" (solid, pour order 48): 38.875,26.55 38.35,26.55 38.225,26.425 38.225,25.75 38.575,25.4 38.95,25.4 39,25.45 39,26.425
DVDD10_1 on Bottom Layer "DVDD10_1_L06_P047" (solid, pour order 47): 39.25,27.35 39.65,27.35 39.75,27.25 39.75,25.25 39.55,25.05 39.275,25.05 39.2,25.125 39.2,27.3
GND on Bottom Layer "GND_L06_P046" (solid, pour order 46): 37.175,23.025 36.95,22.8 36.95,22.5 37.175,22.275 37.86,22.275 38.01,22.425 38,22.435 38,22.725 37.7,23.025
GND on Bottom Layer "GND_L06_P045" (solid, pour order 45): 38.675,21.1 38.9,20.875 38.9,20.475 38.775,20.35 37.8,20.35 37.725,20.425 37.725,20.725 38.1,21.1
GND on Layer 4 "GND_L04_P153" (solid, remove dead copper, pour order 153): 72,90.5 72.5,90 72.5,61 75,58.5 87.25,58.5 88.75,57 91,57 91.5,56.5 91.5,1 91,0.5 1.25,0.5 0.5,1.25 0.5,90 1,90.5
+VDD_3V3 on Layer 4 "+VDD_3V3_L04_P137" (solid, pour order 137): 54.8,76.4 54.1,76.4 53.6,75.9 46.5,75.9 44.4,78 44.4,82.2 43.9,82.7 43.1,82.7 42.6,82.2 42.6,77.4 46.4,73.6 54.3,73.6 55,74.3 55,76.2
AGND_AUD on Layer 4 "AGND_AUD_L04_P088" (solid, pour order 88): 73.5,90.5 73,90 73,65.25 74.25,64 74.25,60.25 75.5,59 87.5,59 89,57.5 91,57.5 91.5,58 91.5,83.5 90.5,84.5 86,84.5 84,86.5 84,90 83.5,90.5
PHY2_VDD1V0 on Layer 4 "PHY2_VDD1V0_L04_P096" (solid, pour order 96): 71.7,42.7 72.4,42.7 72.8,42.3 72.8,34.8 74.323,33.277 77.823,33.277 78.1,33 78.1,32.6 77.9,32.4 73.4,32.4 71.3,34.5 71.3,42.3
+VDD_3V3 on Layer 4 "+VDD_3V3_L04_P131" (solid, pour order 131): 45.75,18.5 46.25,18.5 46.5,18.25 46.5,16.75 45.5,16.75 45.5,18.25
+AVDD1_1_GBE on Layer 4 "+AVDD1_1_GBE_L04_P130" (solid, pour order 130): 45.925,24.6 45.425,24.6 43.425,22.6 43.425,18.35 44.425,17.35 44.925,17.35 45.175,17.6 45.175,21.1 46.175,22.1 46.175,24.35
+AVDD2_1_GBE on Layer 4 "+AVDD2_1_GBE_L04_P129" (solid, pour order 129): 80,40.25 79.75,40.25 77.5,38 77.5,34 78.5,33 79,33 79.25,33.25 79.25,36.75 80.25,37.75 80.25,40
+VDD_3V3 on Layer 4 "+VDD_3V3_L04_P128" (solid, pour order 128): 23,20.75 31,20.75 35,16.75 47,16.75 48,17.75 48,25 51.25,28.25 77.25,28.25 79.5,30.5 79.5,33.75 80,34.25 80.5,34.25 81,33.75 81,28 78.25,25.25 51.75,25.25 49.75,23.25 49.75,17.25 46.75,14.25 24.95,14.25 23,16.2
+VDD_1V8 on Layer 4 "+VDD_1V8_L04_P121" (solid, pour order 121): 25.5,46.1 25.75,45.85 25.75,44.925 25.575,44.75 24.55,44.75 24.25,45.05 24.25,45.825 24.525,46.1
+1V2_HDMI_AVCC on Layer 4 "+1V2_HDMI_AVCC_L04_P109" (solid, pour order 109): 17.1,71.9 17.3,71.7 17.3,71.2 17.2,71.1 14.2,71.1 13.7,70.6 9.4,70.6 9.2,70.8 9.2,71.7 9.4,71.9
+VDD_3V3 on Layer 4 "+VDD_3V3_L04_P029" (solid, pour order 29): 18.1,36.5 17.2,35.6 17.2,28.6 16.2,27.6 8.6,27.6 3.7,22.7 3.7,17.1 4.7,16.1 23.1,16.1 24.5,17.5 24.5,23.6 24.5,35.8 23.8,36.5
GND on Layer 1 "GND_L02_P150" (solid, pour order 150): 72,90.5 72.5,90 72.5,61 75,58.5 87.25,58.5 88.75,57 91,57 91.5,56.5 91.5,1 91,0.5 1.25,0.5 0.5,1.25 0.5,90 1,90.5
AGND_AUD on Layer 1 "AGND_AUD_L02_P147" (solid, pour order 147): 73.5,90.5 73,90 73,65.25 74.25,64 74.25,60.25 75.5,59 87.5,59 89,57.5 91,57.5 91.5,58 91.5,83.5 90.5,84.5 86,84.5 84,86.5 84,90 83.5,90.5
GND on Layer 2 "GND_L05_P149" (solid, remove dead copper, pour order 149): 72,90.5 72.5,90 72.5,61 75,58.5 87.25,58.5 88.75,57 91,57 91.5,56.5 91.5,1 91,0.5 1.25,0.5 0.5,1.25 0.5,90 1,90.5
AGND_AUD on Layer 2 "AGND_AUD_L05_P148" (solid, pour order 148): 73.5,90.5 73,90 73,65.25 74.25,64 74.25,60.25 75.5,59 87.5,59 89,57.5 91,57.5 91.5,58 91.5,83.5 90.5,84.5 86,84.5 84,86.5 84,90 83.5,90.5

## Keep-outs
Keep-Out Layer:
  lines w0.1: 51,48 60,48 ; 60,48 60,39 50,39 50,48 60,48
  lines w0.2: 0,0 92,0 92,91 0,91 0,0

## Other copper
Top Layer:
  pour cut-out: 76,65 84,65 84,58.5 76,58.5
  region net +VDD_3V3: 74.5,66.9 74.775,66.625 74.775,66.375 74.7,66.3 73.9,66.3 73.7,66.5 73.7,66.8 73.8,66.9
Bottom Layer:
  pour cut-out: 86.3,53.6 86.3,44.1 76,44.1 75.975,44.125 75.975,53.6
  region net +VDD_3V3_SD: 68.9,49 69.9,48 72.7,48 73,48.3 84.7,48.3 85.1,48.7 87.3,48.7 87.4,48.6 87.4,48 87.2,47.8 73.1,47.8 72.9,47.6 65.8,47.6 65.6,47.8 65.6,48.9 65.7,49

## Text inside footprints (layer, text, board x,y; h text height)
J301: Mechanical 1 "plastic may go over the board edge" at 7.7,76.475 h0.5 r90; Mechanical 1 "doesnt fit on one place. Bottom" at 6.5,76.575 h0.5 r90; Mechanical 1 "NOTE: Holes are big and connector" at 5.3,76.575 h0.5 r90
J701: Mechanical 13 "PCB EDGE" at 17.5,0.4 h0.41
J801: Mechanical 49 "1" at 74.7,88.537 h0.25 r180; Mechanical 49 "2" at 74.7,76.21 h0.25 r180; Mechanical 49 "4" at 74.7,85.737 h0.25 r180; Mechanical 49 "3" at 82.21,83.676 h0.25 r180
TP801: Mechanical 49 "1" at 90.438,58.84 h0.25
TP802: Mechanical 49 "1" at 90.61,61.738 h0.25 r90
TP803: Mechanical 49 "1" at 90.61,64.663 h0.25 r90
TP804: Mechanical 49 "1" at 85.885,62.517 h0.25 r90
TP805: Mechanical 49 "1" at 85.885,64.017 h0.25 r90
TP806: Mechanical 49 "1" at 79.785,67.092 h0.25 r90
TP807: Mechanical 49 "1" at 79.21,54.917 h0.25 r90
TP808: Mechanical 49 "1" at 78.585,67.092 h0.25 r90
TP809: Mechanical 49 "1" at 78.36,56.392 h0.25 r90
TP810: Mechanical 49 "1" at 77.685,54.917 h0.25 r90
TP811: Mechanical 49 "1" at 76.985,56.417 h0.25 r90
TP812: Mechanical 49 "1" at 72.885,59.517 h0.25 r90
TP813: Mechanical 49 "1" at 72.885,61.017 h0.25 r90
TP814: Mechanical 49 "1" at 83.31,55.492 h0.25 r90
TP815: Mechanical 49 "1" at 84.61,55.492 h0.25 r90
U802: Mechanical 49 "2" at 76.225,53.023 h0.25 r270; Mechanical 49 "4" at 77.675,51.173 h0.25 r270; Mechanical 49 "3" at 77.675,53.023 h0.25 r270; Mechanical 49 "1" at 76.225,51.173 h0.25 r270